# Altium PCB qfc.PcbDoc (part 1 of 13) (continued)
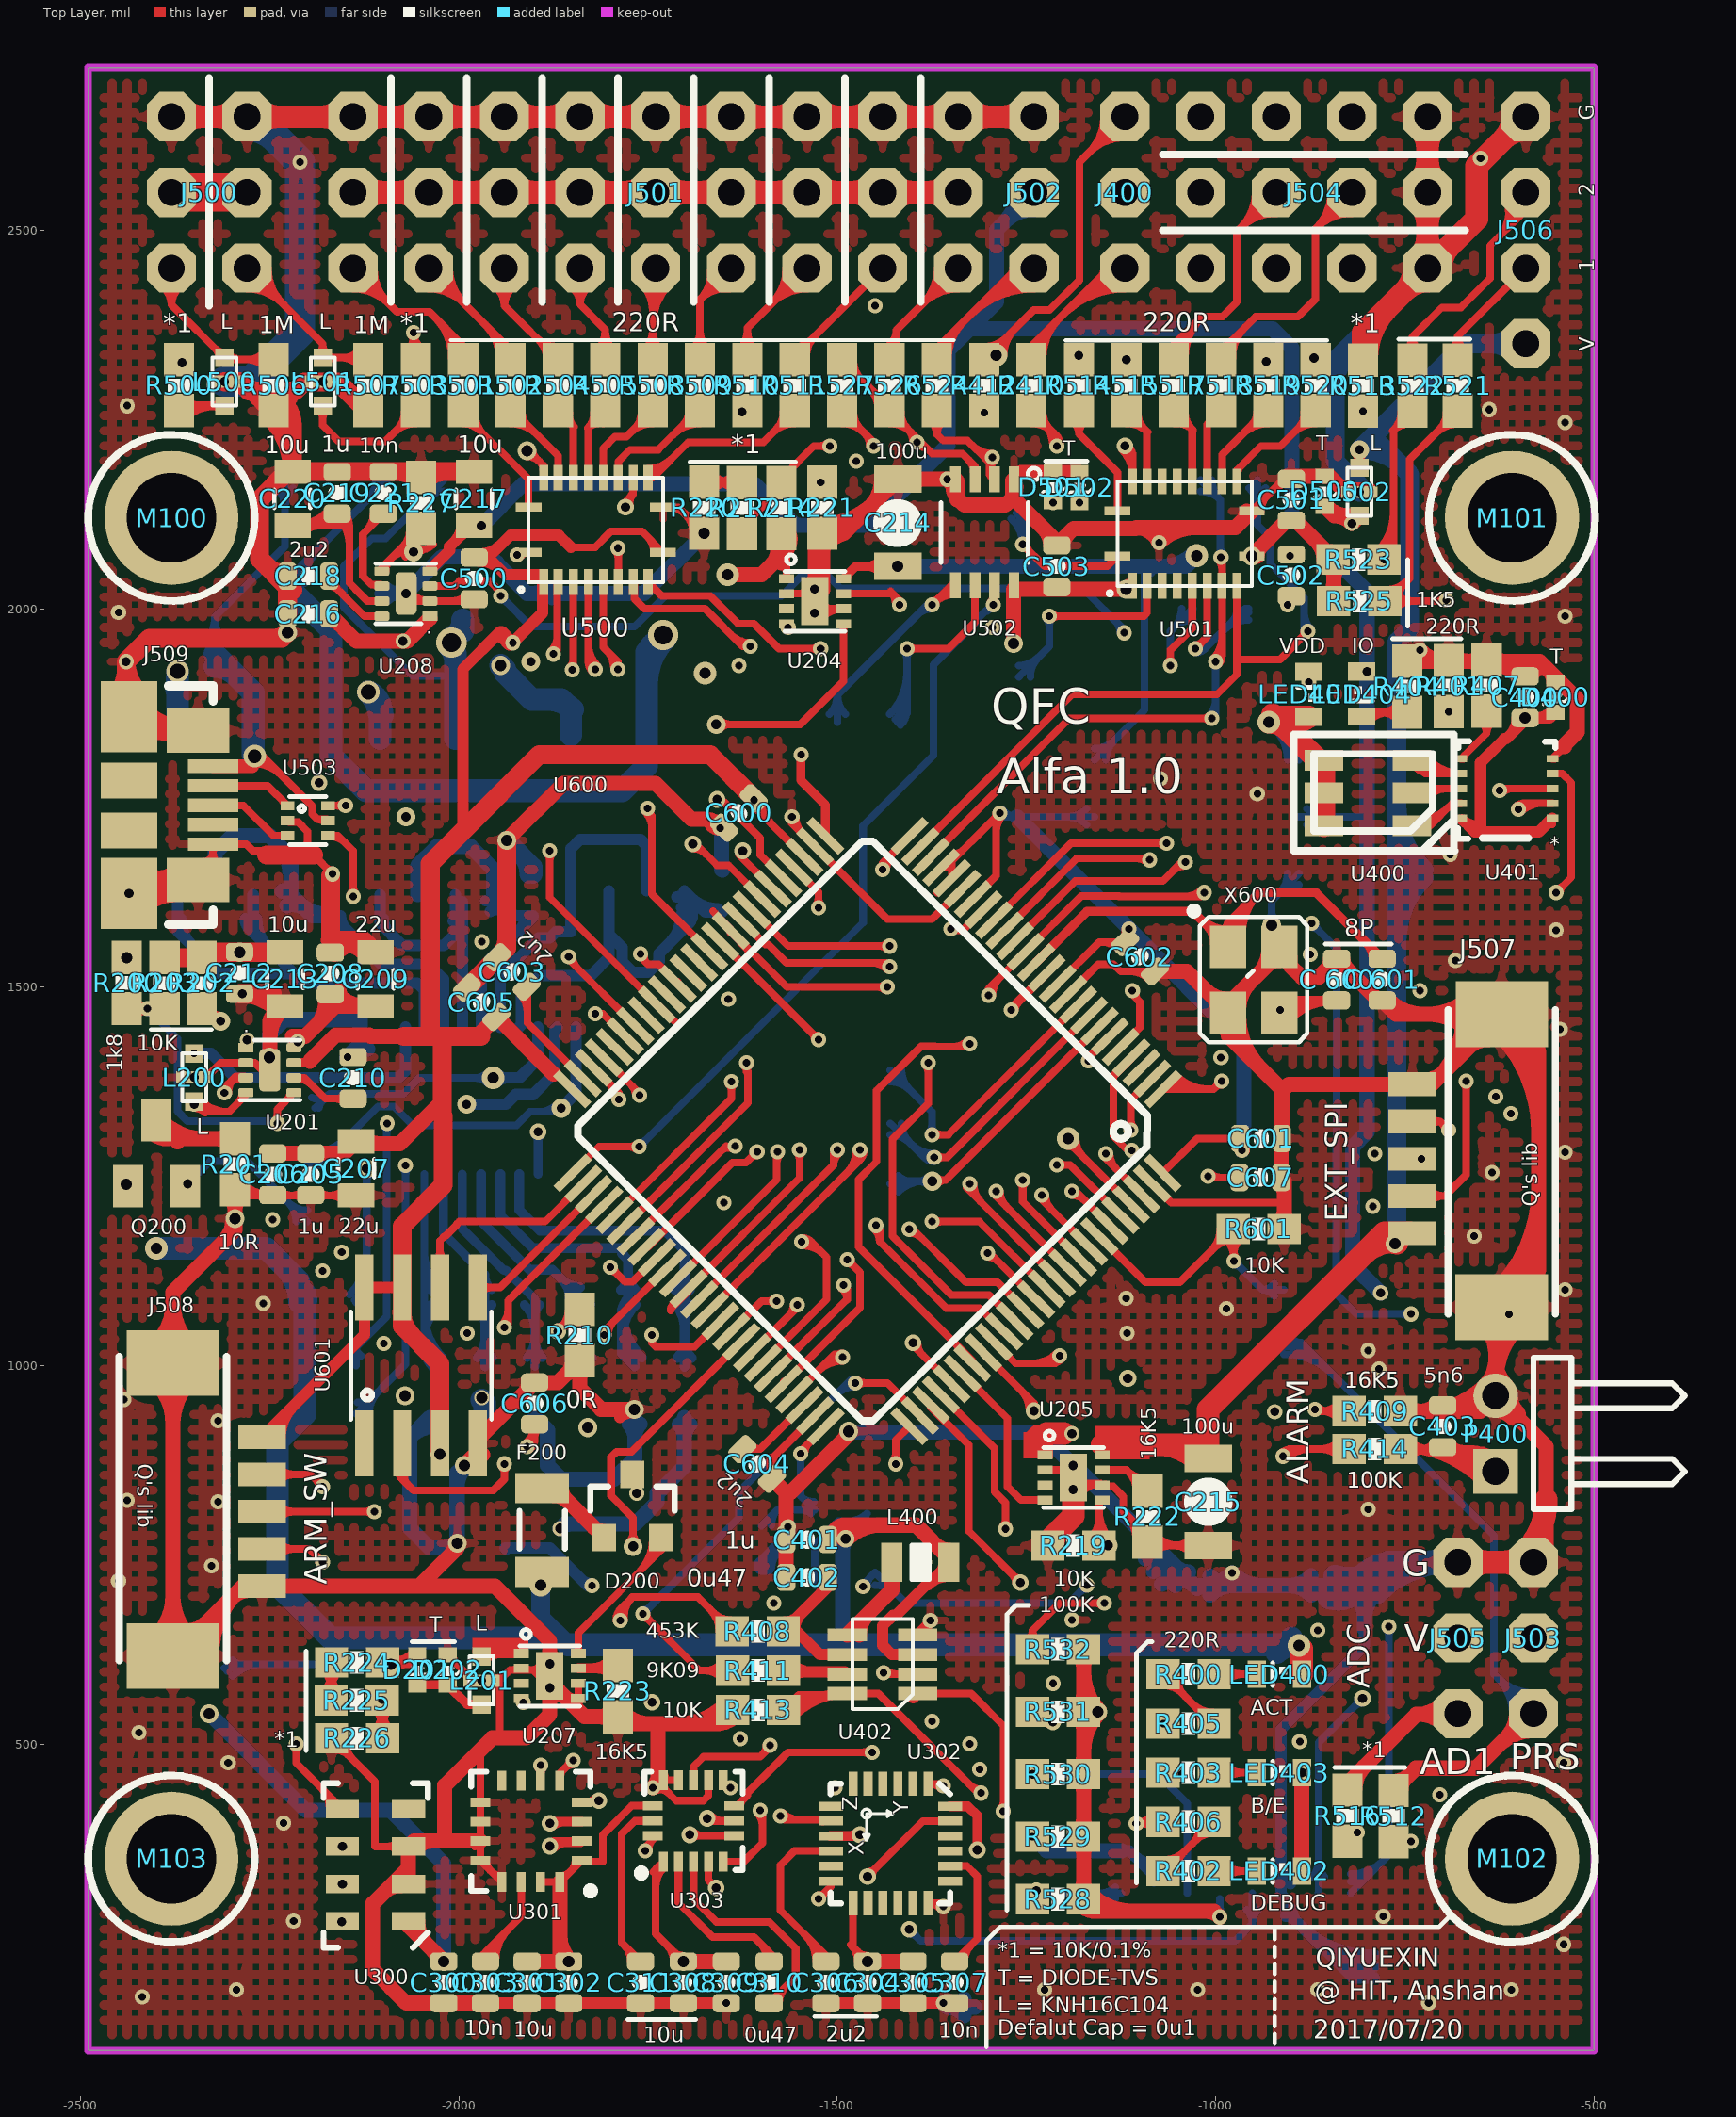
[diagram p0: Top Layer view]
## Components (designator, comment, footprint, x,y, rotation, side; value= is the part's Value field where it differs from the comment) (continued)
U303 "LSM303D" LSM303D -1690,398.27 r90 top
U400 "LRTB GFTG-T7AW-1+V7A7-29+R5T9-49-L" P-LCC-6 -899,1857 r0 top
U401 "TCA62724" SON10 -607,1657 r180 top
U402 "LT3469" SOT23-8 -1440,605 r90 top
U500 "TXS0108QFN20" QFN20-RGY -1819,2104 r90 top
U501 "TXS0108QFN20" QFN20-RGY -1040.76,2098.96 r90 top
U502 "Dual inverter tri-state, 3.3V/5V" TSSOP8_SOT505-2 -1305,2101 r180 top
U503 "NUF2042XV6" SOT563-6 -2200,1720 r270 top
U504 "2908-05WB-MG" MICROSD -1048.32,410 r0 bottom
U600 "STM32F4X7VX 100 pin" TQFP100 -1460,1310 r225 top
U601 "FM25V01" SO08 -2050,1000 r0 top
VBUS "PAD.04" PAD.04X.04 -2200,1340 r0 bottom
X600 "Crystal Oscillator in 3.2x2.5 SMD" OSCILLATOR-3.2X2.5 -950,1510 r270 top

## Footprints (in the part's own frame and the unit in brackets; to place one, negate y for a bottom-side part, rotate by r counter-clockwise, add the part's x,y. Pads: shape width x height; smd on the part's side, far side on the other; paste and mask are expansions set on the pad)
1.25-5P [mm]
  rect 0.8x1.6 smd: 1(-7.5,0) 2(-6.25,0) 3(-5,0) 4(-3.75,0) 5(-2.5,0)
  rect 2.2x3.1 smd: GND(-9.982,-2.997) GND(-0.15,-3)
  silkscreen extent -10.2,-4.8 0,-1.2
0402-TVS [mil] "0402-TVS"
  rect 20x24 smd: A(20,0) C(-19.68,0)
  silkscreen extent -10,-16 3,16, body extent -20,-10 20,10, height 20
0603-CAP [mil] "0603-CAP"
  rrect50% 24x36 smd mask+0: P$1(-27.56,0) P$2(27.56,0)
  silkscreen extent 0,-2 0,2, body extent -31,-16 31,16, height 34
0603-LED [mil]
  rect 24x36 smd: A(30,0) C(-29.53,0)
  silkscreen extent -9,-15 10,15
0603-RES [mil] "0603-RES"
  rect 44x40 smd: 1(-33.46,0) 2(34,0)
  silkscreen extent -9,-15 9,15, body extent -31,-16 31,16, height 34
0805 [mil] "0805"
  rect 32x48 smd: 1(-35.43,0) 2(36,0)
  silkscreen extent -12,-24 12,24, body extent -39,-25 39,25, height 31
0805-IND [mil]
  rect 28x52 smd: P$1(-37.4,0) P$2(38,0)
  silkscreen extent -12,-23 12,23
1206-CAP [mil]
  rect 36x63 smd: P$1(-57.09,0) P$2(58,0)
  silkscreen extent 0,0 0,1
HDR1X2H [mm] "Connector; Header; 2 Position; Right Angle"
  rect 1.5x1.5 hole 0.9: 1(0,0)
  round 1.5 hole 0.9: 2(2.54,0)
  silkscreen extent -1.27,-6.35 3.81,-1.27
HDR3X1H [mil]
  oct 65x65 hole 35.43: 1(0,0) GND(0,200) VCC(0,100)
  body extent -50,-50 50,250, height 394
HDR3X2H [mil]
  oct 65x65 hole 35.43: 1(0,0) 2(100,0) GND(0,200) GND(100,200) VCC(0,100) VCC(100,100)
  silkscreen extent 50,-50 50,250, body extent -50,-50 150,250, height 394
HDR3X9H [mil]
  oct 65x65 hole 35.43: 1(0,0) 2(100,0) 3(200,0) 4(300,0) 5(400,0) 6(500,0) 7(600,0) 8(700,0) 9(800,0) GND(0,200) GND(100,200) GND(200,200) GND(300,200) GND(400,200) GND(500,200) GND(600,200) GND(700,200) GND(800,200) VCC(0,100) VCC(100,100) VCC(200,100) VCC(300,100) VCC(400,100) VCC(500,100) VCC(600,100) VCC(700,100) VCC(800,100)
  silkscreen extent 50,-45 750,250, body extent -50,-50 850,250, height 394
HDR4X1 [mil]
  oct 65x65 hole 35.43: 1(100,0) 2(200,0) GND(300,0) VCC(0,0)
  body extent -50,-50 350,50, height 394
HDR4X3 [mil]
  oct 65x65 hole 35.43: 1(100,0) 2(200,0) 3(100,100) 4(200,100) 5(100,200) 6(200,200) GND(300,0) GND(300,100) GND(300,200) VCC(0,0) VCC(0,100) VCC(0,200)
  silkscreen extent -50,50 350,150, body extent -50,-50 350,250, height 394
HOLE-3MM [mm] "Surface mount thread"
  round 4.5 hole 3: 0(0,0)
  silkscreen extent -2.79,-2.79 2.79,2.79, body extent -1.65,-1.83 1.53,1.83, height 2
KYOCERA-KNH16-DA [mil] "KYOCERA-KNH16-DA"
  rect 16x16 smd: GND(0,16) GND(0,-15.75)
  rect 16x16 hole 12: GND(0,0)
  rect 24x24 smd: P$1(-31.5,0) P$2(32,0)
  silkscreen extent -31,-16 32,16, body extent -20,-10 20,10, height 14
L3GD20 [mil] "4x4x1"
  rect 26x12 smd mask+0: 1(-66.93,38.39) 2(-66.93,12.8) 3(-66.93,-12.8) 4(-66.93,-38.39) 9(66.93,-38.39) 10(66.93,-12.8) 11(66.93,12.8) 12(66.93,38.39)
  rect 12x26 smd mask+0: 5(-38.39,-66.93) 6(-12.8,-66.93) 7(12.8,-66.93) 8(38.39,-66.93) 13(38.39,66.93) 14(12.8,66.93) 15(-12.8,66.93) 16(-38.39,66.93)
  silkscreen extent -84,-79 79,84, body extent -79,-79 79,79, height 39
LSM303D [mil] "LGA-16L"
  rect 26x12 smd mask+0: 1(-53.94,40) 2(-53.94,20) 3(-53.94,0) 4(-53.94,-19.69) 5(-53.94,-39.37) 9(54,-39.37) 10(54,-19.69) 11(54,0) 12(54,20) 13(54,40)
  rect 12x26 smd mask+0: 6(-19.68,-53.94) 7(0,-53.94) 8(20,-53.94) 14(20,54) 15(0,54) 16(-19.68,54)
  silkscreen extent -74,-65 65,74, body extent -59,-59 59,59
MICROSD [mil] "MICROSD"
  rect 32x60 smd: 1(-76.38,107) 2(-33.07,91) 3(11,107) 4(54,115) 5(97,107) 6(141,115) 7(184,107) 8(227,107)
  rect 56x75 smd: 6(-269.68,258) 6(258,219)
  rect 71x56 smd: 6(-29.53,-299.21) 6(195,-299.21)
  silkscreen extent -287,-315 276,256, body extent -276,-315 276,285, height 73
MLF-8-EPAD [mil] "MLF-8-EPAD"
  rect 20x12 smd: 1(-31.5,30)
  rrect40% 20x12 smd: 2(-31.5,10) 3(-31.5,-9.84) 4(-31.5,-29.53) 5(32,-29.53) 6(32,-9.84) 7(32,10) 8(32,30)
  rrect40% 28x56 smd: GND(0,0)
  silkscreen extent -39,-39 40,40, body extent -40,-39 40,39, height 33
MOLEX-47346-0001 [mil]
  rect 67x18 smd: D+(111,0) D-(111,26) GND(111,-51.18) ID(111,-25.59) VBUS(111,52)
  rect 75x94 smd: GND1(0,117) GND4(0,-116.14)
  rect 83x59 smd: GND2(91,99) GND3(91,-98.43)
  rect 75x47 smd: GND5(0,-32.97) GND6(0,33)
  silkscreen extent 52,-157 111,158, body extent -94,-157 120,157, height 107
MS621FE [mm]
  rect 2.5x0.6 smd: +(8.509,0.775) -(8.509,-0.825)
  silkscreen extent -6.78,-6.8 6.81,6.8
MS5611-01BA [mil] "MS5611-01BA"
  rect 44x24 smd: 1(-43.31,74) 2(-43.31,25) 3(-43.31,-24.61) 4(-43.31,-73.82) 5(44,-73.82) 6(44,-24.61) 7(44,25) 8(44,74)
  silkscreen extent -69,-108 69,109, body extent -59,-98 59,99, height 39
OSCILLATOR-3.2X2.5 [mil] "OSCILLATOR-3.2X2.5"
  rect 56x48 smd: 1(-43.31,-33.46) 2(44,-33.46) 3(44,34) 4(-43.31,34)
  silkscreen extent -95,-83 83,71
P-LCC-6 [mm]
  rect 1.3x0.7 smd: A1(1.073,-3.652) A1(1.073,-3.652) A2(1.073,-2.552) A3(1.073,-1.452) C1(4.023,-3.652) C2(4.023,-2.552) C3(4.023,-1.452)
  silkscreen extent 0.05,-4.5 5.46,-0.58, body extent 1.24,-4.08 3.76,-0.99, height 1.5
PAD.04X.04 [mil]
  rrect100% 40x40 smd: P$1(0,0)
  silkscreen extent -26,-26 26,26
PTC-1206 [mil] "PTC-1206"
  rect 40x71 smd: 1(-55.12,0) 2(56,0)
  silkscreen extent -25,-30 25,30, body extent -60,-30 65,30, height 20
QFN8-DSG [mil] "QFN8-DSG"
  rect 12x20 smd: 1(-29.53,-37.4) 2(-9.84,-37.4) 3(10,-37.4) 4(30,-37.4) 5(30,38) 6(10,38) 7(-9.84,38) 8(-29.53,38)
  rect 18x18 hole 12: GND(-15.75,0) GND(16,0)
  rect 63x36 smd: GND(0,0)
  silkscreen extent -61,-39 40,40, body extent -39,-40 39,40, height 33
QFN20-RGY [mil] "QFN20-RGY"
  rect 12x34 smd: 1(-29.53,89) 10(-29.53,-88.58) 11(30,-88.58) 20(30,89)
  rect 34x12 smd: 2(-68.9,69) 3(-68.9,50) 4(-68.9,30) 5(-68.9,10) 6(-68.9,-9.84) 7(-68.9,-29.53) 8(-68.9,-49.21) 9(-68.9,-68.9) 12(69,-68.9) 13(69,-49.21) 14(69,-29.53) 15(69,-9.84) 16(69,10) 17(69,30) 18(69,50) 19(69,69)
  silkscreen extent -82,-89 69,102, body extent -72,-92 72,92, height 39
QFN-24 [mil] "QFN-24"
  rect 32x12 smd: 1(-78.74,50) 2(-78.74,30) 3(-78.74,10) 4(-78.74,-9.84) 5(-78.74,-29.53) 6(-78.74,-49.21) 13(79,-49.21) 14(79,-29.53) 15(79,-9.84) 16(79,10) 17(79,30) 18(79,50)
  rect 12x32 smd: 7(-49.21,-78.74) 8(-29.53,-78.74) 9(-9.84,-78.74) 10(10,-78.74) 11(30,-78.74) 12(50,-78.74) 19(50,79) 20(30,79) 21(10,79) 22(-9.84,79) 23(-29.53,79) 24(-49.21,79)
  silkscreen extent -79,-79 79,79, body extent -79,-79 79,79, height 35
SO08 [mil] "SO08"
  rect 24x87 smd: 1(-75,-103) 2(-25,-103) 3(25,-103) 4(75,-103) 5(75,103) 6(25,103) 7(-25,103) 8(-75,103)
  silkscreen extent -93,-71 93,71, body extent -96,-121 96,121, height 34
SOD323 [mil] "SOD323"
  rect 32x24 smd: A(50,0) C(-49.21,0)
  silkscreen extent -62,-26 50,26, body extent -49,-24 49,25, height 35
SON10 [mm]
  rect 0.4x0.25 smd: 1(-1.321,-1.676) 2(-1.321,-2.176) 3(-1.321,-2.676) 4(-1.321,-3.176) 5(-1.321,-3.676) 6(1.743,-3.676) 7(1.743,-3.176) 8(1.743,-2.676) 9(1.743,-2.176) 10(1.743,-1.676)
  silkscreen extent -1.42,-4.27 1.85,-0.99, body extent -1.31,-4.05 1.71,-1.24, height 1
SOT23-3 [mil] "SOT23-3"
  rect 32x36 smd: 1(-37.4,-39.37) 2(38,-39.37) 3(0,44)
  silkscreen extent -55,-4 56,28, body extent -57,-55 57,55, height 51
SOT23-8 [mil] "SOT23-8"
  rect 17x52 smd: 1(-38.39,-46.26) 2(-12.8,-46.26) 3(13,-46.26) 4(39,-46.26) 5(39,47) 6(13,47) 7(-12.8,47) 8(-38.39,47)
  silkscreen extent -59,-39 60,40, body extent -59,-55 59,55, height 44
SOT23-BEC [mil] "SOT23-BEC"
  rect 40x56 smd: B(-37.4,-43.31) C(0,44) E(38,-43.31)
  body extent -57,-55 57,55, height 51
SOT563-6 [mil] "SOT563-6"
  rect 12x18 smd: 1(-19.68,-26.57) 2(0,-26.57) 3(20,-26.57) 4(20,27) 5(0,27) 6(-19.68,27)
  silkscreen extent -31,-24 32,24, body extent -32,-32 32,32, height 23
SSOP-24_GN [mil]
  rect 78x14 smd: 1(-92,136.5) 2(-92,111.5) 3(-92,86.5) 4(-92,61.5) 5(-92,36.5) 6(-92,11.5) 7(-92,-13.5) 8(-92,-38.5) 9(-92,-63.5) 10(-92,-88.5) 11(-92,-113.5) 12(-92,-138.5) 13(102,-138.5) 14(102,-113.5) 15(102,-88.5) 16(102,-63.5) 17(102,-38.5) 18(102,-13.5) 19(102,11.5) 20(102,36.5) 21(102,61.5) 22(102,86.5) 23(102,111.5) 24(102,136.5)
  silkscreen extent -83,-177 84,177, body extent -125,-174 119,170, height 67
TQFP100 [mil] "TQFP100"
  rect 60x12 smd: 1(-314.96,237) 2(-314.96,217) 3(-314.96,197) 4(-314.96,178) 5(-314.96,158) 6(-314.96,138) 7(-314.96,119) 8(-314.96,99) 9(-314.96,79) 12(-314.96,20) 13(-314.96,0) 14(-314.96,-19.69) 15(-314.96,-39.37) 16(-314.96,-59.06) 17(-314.96,-78.74) 18(-314.96,-98.43) 20(-314.96,-137.8) 21(-314.96,-157.48) 22(-314.96,-177.17) 23(-314.96,-196.85) 24(-314.96,-216.54) 25(-314.96,-236.22) 51(315,-236.22) 52(315,-216.54) 53(315,-196.85) 54(315,-177.17) 55(315,-157.48) 56(315,-137.8) 57(315,-118.11) 58(315,-98.43) 59(315,-78.74) 60(315,-59.06) 61(315,-39.37) 62(315,-19.69) 63(315,0) 64(315,20) 65(315,40) 66(315,60) 67(315,79) 68(315,99) 69(315,119) 70(315,138) 71(315,158) 72(315,178) 73(315,197) VDD(-314.96,40) VDD(-314.96,-118.11) VDD(315,237) VSS(-314.96,60) VSS(315,217)
  rect 12x60 smd: 26(-236.22,-314.96) 29(-177.17,-314.96) 30(-157.48,-314.96) 31(-137.8,-314.96) 32(-118.11,-314.96) 33(-98.43,-314.96) 34(-78.74,-314.96) 35(-59.06,-314.96) 36(-39.37,-314.96) 37(-19.69,-314.96) 38(0,-314.96) 39(20,-314.96) 40(40,-314.96) 41(60,-314.96) 42(79,-314.96) 44(119,-314.96) 45(138,-314.96) 46(158,-314.96) 47(178,-314.96) 48(197,-314.96) 49(217,-314.96) 76(237,315) 77(217,315) 78(197,315) 79(178,315) 80(158,315) 81(138,315) 82(119,315) 83(99,315) 84(79,315) 85(60,315) 86(40,315) 87(20,315) 88(0,315) 89(-19.69,315) 90(-39.37,315) 91(-59.06,315) 92(-78.74,315) 93(-98.43,315) 94(-118.11,315) 95(-137.8,315) 96(-157.48,315) 97(-177.17,315) 98(-196.85,315) VDD(-236.22,315) VDD(-196.85,-314.96) VDD(237,-314.96) VSS(-216.54,315) VSS(-216.54,-314.96)
  rect 12x59.06 smd: 43(99,-314.96)
  silkscreen extent -276,-276 276,276, body extent -556,-556 556,556, height 47
TSSOP8_SOT505-2 [mil] "TSSOP8_SOT505-2"
  rect 14x34 smd: 1(-38.39,-69.88) 2(-12.8,-69.88) 3(13,-69.88) 4(39,-69.88) 5(39,70) 6(13,70) 7(-12.8,70) 8(-38.39,70)
  silkscreen extent -73,-85 58,40, body extent -61,-81 61,81, height 43

## Part data
3V3_SEN: "VDD_3V3_SENSORS"
5V_BRI: "VDD_5V_BRICK"
5V_HIP: "VDD_5V_HIPOWER"
5V_IN: "VDD_5V_IN"
5V_PER: "VDD_5V_PERIPH"
5V_SEN: "VDD_SENSOR"
!BRI_EN: "!VDD_BRICK_VALID"
!SRV_EN: "!VDD_SERVO_VALID"
!VBUS_EN: "!VBUS_VALID"
B600: "MS Lithium Rechargeable Battery"
C200 C202 C204 C205 C206 C208 C210 C212 C216 C218 C219 C221 C300 C301 C302 C303 C304 C305 C306 C307 C308 C309 C310 C311 C400 C401 C402 C403 C500 C501 C502 C503 C600 C601 C602 C603 C604 C605 C606 C607 C608 "C 600" "C 601": library part CAP0603, "CAP CER 2.2UF 16V 10% X6S 0603"
C201 C203 C211 C214 C215: library part CAP1206, "CAP CER 100UF 10V 20% X5R 1206"
C207 C209 C213 C217 C220: library part CAP0805, "CAP CER 4.7UF 16V 10% X7R 0805"
D200: "DIODE SCHOTTKY 20V 500MA TO236AB"
D201 D202 D400 D500 D501 D502: "TVS DIODE 14VWM 40VC 0402"
D600: library part DIODE-SCHOTTKY_SOD323, "DIODE SCHOTTKY 30V 0.03A SOD323"
F200: library part PTCSMD, "PTC RESTTBLE 0.35A 16V CHIP 1206"
FMU_3V3: "FMU-VDD_3V3"
IO_5V: "IO-VDD_5V5"
J400 J502 J503 J505: "Header 3X1 pins"
J500: "Header 3X2 pins"
J501: "Header 3X9 pins"
J504: "Header 4X3"
J506: "Header 4X1"
J507 J508: "DF13C-5P-1.25V, 1.25mm"
J509: library part MOLEX-47346-0001, "MICRO USB B, BOTTOM MOUNT"
L200 L201 L500 L501 L502: library part KNH16C104DA5TS, "FILTER CAP 0.1UF 2A 25V 0603"
L400: library part INDUCTOR0805, "FIXED IND 47UH 170MA 4.81 OHM"
LED400 LED401 LED402 LED403 LED404: library part LED0603, "LED 1.6X0.8 DOME ORN CLEAR SMD"
P400: "Header, 2-Pin, Right Angle"
PRE_SENS_IN: "PRESSURE_SENS_IN"
Q200: "TRANSISTOR SWITCHING PNP SOT-23"
R200 R201 R202 R203 R204 R205 R206 R207 R208 R209 R210 R211 R212 R213 R214 R215 R216 R217 R218 R219 R220 R221 R222 R223 R224 R225 R226 R227 R400 R401 R402 R403 R404 R405 R406 R407 R408 R409 R410 R411 R412 R413 R414 R500 R501 R502 R503 R504 R505 R506 R507 R508 R509 R510 R511 R512 R513 R514 R515 R516 R517 R518 R519 R520 R521 R522 R523 R524 R525 R526 R527 R528 R529 R530 R531 R532 R600 R601: library part RESISTOR0603-RES, "RES 10 OHM 1/10W 5% 0603"
U200 U202 U203: library part PMOSFET-DUAL, "MOSFET 2P-CH 20V 2.9A CHIPFET"
U201 U208: "IC REG LDO 3.3V 0.3A 8TMLF"
U204 U205: "IC LI+ CHARGER FRONT END 8SON"
U206: library part LTC4417IGN#TRPBF, "Selects Highest Priority Supply from Three Inputs"
U207: "IC LI+ CHARGER FRONT END 8-SON"
U300: "Board Mount Pressure Sensors"
U301: "Sensor, Low-power, Three-axis, Angular rate"
U302: "GYRO/ACCELEROMETER 6AXIS 24QFN"
U303: "Module, 3D Accelerometer, 3D Magnetometer"
U400: library part MULTI-LEDS, "Muti LEDs"
U401: "3-Channel Constant-Current LED Driver"
U402: "IC AMP DVR W/REG 1.3MHZ TSOT23-8"
U500 U501: "IC XLATR VOLT-LVL 8B BDIR 20QFN"
U502: library part 74LVC2G240-TSSOP-8, "IC INVERTER DUAL 4-INPUT 8TSSOP"
U503: "IC FILTER USB ESD PROTECT SOT363"
U504: library part MICROSDSDI, "CONN MICRO SD CARD PUSH-PUSH R/A"
U600: library part STM32F4X7VX_1, "REV 3 Silicon or later IC MCU ARM 2MB FLASH 100LQFP"
U601: "IC FRAM 128KBIT 40MHZ 8SOIC"
X600: library part OSCILLATOR-3.2X2.5, "CRYSTAL 24MHZ 8PF SMD"

## Via types
v1: diameter 20, hole 10, Top Layer to Bottom Layer, tented both sides, 256 vias
v2: diameter 22, hole 12, Top Layer to Bottom Layer, tented both sides, 31 vias
v3: diameter 25, hole 15, Top Layer to Bottom Layer, tented both sides, 29 vias
v4: diameter 20, hole 12, Top Layer to Bottom Layer, tented both sides, 17 vias
v5: diameter 30, hole 15, Top Layer to Bottom Layer, tented both sides, 12 vias
v6: diameter 25, hole 12, Top Layer to Bottom Layer, tented both sides, 11 vias
v7: diameter 25, hole 13, Top Layer to Bottom Layer, tented both sides, 5 vias
v8: diameter 40, hole 25, Top Layer to Bottom Layer, tented both sides, 2 vias
v9: diameter 23, hole 13, Top Layer to Bottom Layer, tented both sides, 2 vias
v10: diameter 30, hole 20, Top Layer to Bottom Layer, tented both sides, 2 vias
v11: diameter 20, hole 13, Top Layer to Bottom Layer, tented both sides, 1 vias
v12: diameter 20, hole 15, Top Layer to Bottom Layer, tented both sides, 1 vias
v13: diameter 30, hole 18, Top Layer to Bottom Layer, tented both sides, 1 vias

## Nets (pads, with @x,y where several pads share a name; then routed paths per layer and width w, separated by ;. In a path a pad name is that pad's centre, name@x,y a point inside that pad or via, vN(x,y) a via of type N, cw(c..) or ccw(c..) an arc to the next point about the centre after c; other vN are vias at no path point)
!FRAM_CS: U601.1
!VBUS_VALID: !VBUS_EN.P$1 R204.1 U206.12 U600.7 | length 2514.8
  Top Layer w10: v7(-1374.5,1243.5) -1373,1245 -1356.71,1245 ; U600.7@-1153.14,1448.57 -1356.71,1245 ; v7@-1369.2,1248.8 ccw(c-1360.01,1257.99) -1360.01,1245 ; v7@-1369.2,1248.8 ccw(c-1360.01,1257.99) -1360.01,1245 ; v7@-1369.2,1248.8 ccw(c-1360.01,1257.99) -1360.01,1245 ; v7@-1369.2,1248.8 ccw(c-1360.01,1257.99) -1360.01,1245 ; v7@-1368.46,1239.06 cw(c-1356.71,1230.42) -1356.71,1245 ; v7@-1368.46,1239.06 cw(c-1356.71,1230.42) -1356.71,1245 ; v7@-1368.46,1239.06 cw(c-1356.71,1230.42) -1356.71,1245 ; v7@-1368.46,1239.06 cw(c-1356.71,1230.42) -1356.71,1245
  Mid-Layer 1 w10: v7(-2122,1260.19) -2122,1254.5 -2109.94,1242.44 -2061.44,1242.44 -2060.39,1243.5 v7(-1374.5,1243.5) ; v7@-2115.1,1257.25 ccw(c-2105.09,1252.98) -2112.79,1245.29 ; v7@-2115.1,1257.25 ccw(c-2105.09,1252.98) -2112.79,1245.29 ; v7@-2115.1,1257.25 ccw(c-2105.09,1252.98) -2112.79,1245.29 ; v7@-2115.1,1257.25 ccw(c-2105.09,1252.98) -2112.79,1245.29
  Bottom Layer w10: R204.1@-2136.03,1083 -2122,1097.03 v7(-2122,1260.19) ; !VBUS_EN.P$1@-1430,1240 -1426.5,1243.5 v7(-1374.5,1243.5) ; R204.1@-2144.64,1093.61 ccw(c-2199.3,1148.27) -2122,1148.27 ; R204.1@-2144.64,1093.61 ccw(c-2199.3,1148.27) -2122,1148.27 ; R204.1@-2144.64,1093.61 ccw(c-2199.3,1148.27) -2122,1148.27 ; R204.1@-2144.64,1093.61 ccw(c-2199.3,1148.27) -2122,1148.27 ; R204.1@-2137.57,1086.54 ccw(c-2175.15,1124.12) -2122,1124.12 ; R204.1@-2137.57,1086.54 ccw(c-2175.15,1124.12) -2122,1124.12 ; R204.1@-2137.57,1086.54 ccw(c-2175.15,1124.12) -2122,1124.12 ; R204.1@-2137.57,1086.54 ccw(c-2175.15,1124.12) -2122,1124.12 ; R204.1@-2130.5,1079.47 ccw(c-2151.01,1099.98) R204.1@-2122,1099.98 ; R204.1@-2130.5,1079.47 ccw(c-2151.01,1099.98) R204.1@-2122,1099.98 ; R204.1@-2130.5,1079.47 ccw(c-2151.01,1099.98) R204.1@-2122,1099.98 ; R204.1@-2130.5,1079.47 ccw(c-2151.01,1099.98) R204.1@-2122,1099.98 ; U206.12@-2127.3,1254.89 cw(c-2140.11,1242.09) U206.12@-2122,1242.09 ; U206.12@-2127.3,1254.89 cw(c-2140.11,1242.09) U206.12@-2122,1242.09 ; U206.12@-2127.3,1254.89 cw(c-2140.11,1242.09) U206.12@-2122,1242.09 ; U206.12@-2127.3,1254.89 cw(c-2140.11,1242.09) U206.12@-2122,1242.09 ; -2122,1212.55 cw(c-2112.05,1212.55) U206.12@-2119.09,1219.59 ; -2122,1212.55 cw(c-2112.05,1212.55) U206.12@-2119.09,1219.59 ; -2122,1212.55 cw(c-2112.05,1212.55) U206.12@-2119.09,1219.59 ; -2122,1212.55 cw(c-2112.05,1212.55) U206.12@-2119.09,1219.59 ; U206.12@-2122,1242.09 cw(c-2103.89,1242.09) U206.12@-2116.7,1254.89 ; U206.12@-2122,1242.09 cw(c-2103.89,1242.09) U206.12@-2116.7,1254.89 ; U206.12@-2122,1242.09 cw(c-2103.89,1242.09) U206.12@-2116.7,1254.89 ; U206.12@-2122,1242.09 cw(c-2103.89,1242.09) U206.12@-2116.7,1254.89 ; !VBUS_EN.P$1@-1426.46,1236.46 cw(c-1409.48,1219.48) -1409.48,1243.5 ; !VBUS_EN.P$1@-1426.46,1236.46 cw(c-1409.48,1219.48) -1409.48,1243.5 ; !VBUS_EN.P$1@-1426.46,1236.46 cw(c-1409.48,1219.48) -1409.48,1243.5 ; !VBUS_EN.P$1@-1426.46,1236.46 cw(c-1409.48,1219.48) -1409.48,1243.5 ; !VBUS_EN.P$1@-1419.39,1229.39 cw(c-1385.34,1195.34) v7@-1385.34,1243.5 ; !VBUS_EN.P$1@-1419.39,1229.39 cw(c-1385.34,1195.34) v7@-1385.34,1243.5 ; !VBUS_EN.P$1@-1419.39,1229.39 cw(c-1385.34,1195.34) v7@-1385.34,1243.5 ; !VBUS_EN.P$1@-1419.39,1229.39 cw(c-1385.34,1195.34) v7@-1385.34,1243.5 ; !VBUS_EN.P$1@-1419.39,1250.61 ccw(c-1402.24,1267.76) -1402.24,1243.5 ; !VBUS_EN.P$1@-1419.39,1250.61 ccw(c-1402.24,1267.76) -1402.24,1243.5 ; !VBUS_EN.P$1@-1419.39,1250.61 ccw(c-1402.24,1267.76) -1402.24,1243.5 ; !VBUS_EN.P$1@-1419.39,1250.61 ccw(c-1402.24,1267.76) -1402.24,1243.5 ; -1392.61,1243.5 cw(c-1392.61,1225.39) v7@-1379.8,1238.2 ; -1392.61,1243.5 ccw(c-1392.61,1261.61) v7@-1379.8,1248.8 ; -1392.61,1243.5 cw(c-1392.61,1225.39) v7@-1379.8,1238.2 ; -1392.61,1243.5 ccw(c-1392.61,1261.61) v7@-1379.8,1248.8 ; -1392.61,1243.5 cw(c-1392.61,1225.39) v7@-1379.8,1238.2 ; -1392.61,1243.5 ccw(c-1392.61,1261.61) v7@-1379.8,1248.8 ; -1392.61,1243.5 cw(c-1392.61,1225.39) v7@-1379.8,1238.2 ; -1392.61,1243.5 ccw(c-1392.61,1261.61) v7@-1379.8,1248.8
!VDD_BRICK_VALID: !BRI_EN.P$1 R206.1 U206.10 U600.8 | length 2472.3
  Top Layer w10: v1(-1372,1275) -1354.99,1275 U600.8@-1167.29,1462.71 ; v1@-1368.46,1271.46 cw(c-1359.93,1262.93) -1359.93,1275 ; v1@-1368.46,1271.46 cw(c-1359.93,1262.93) -1359.93,1275 ; v1@-1368.46,1271.46 cw(c-1359.93,1262.93) -1359.93,1275 ; v1@-1368.46,1271.46 cw(c-1359.93,1262.93) -1359.93,1275 ; v1@-1368.46,1278.54 ccw(c-1359.93,1287.07) -1359.93,1275 ; v1@-1368.46,1278.54 ccw(c-1359.93,1287.07) -1359.93,1275 ; v1@-1368.46,1278.54 ccw(c-1359.93,1287.07) -1359.93,1275 ; v1@-1368.46,1278.54 ccw(c-1359.93,1287.07) -1359.93,1275
  Mid-Layer 1 w10: v1@-2066.61,1260.5 -1392.15,1260.5 v1@-1377.65,1275 ; v1@-2067.02,1267.98 ccw(c-2048.96,1286.04) -2048.96,1260.5 ; v1@-2067.02,1267.98 ccw(c-2048.96,1286.04) -2048.96,1260.5 ; v1@-2067.02,1267.98 ccw(c-2048.96,1286.04) -2048.96,1260.5 ; v1@-2067.02,1267.98 ccw(c-2048.96,1286.04) -2048.96,1260.5 ; -1390.18,1262.47 cw(c-1372,1244.29) v1@-1372,1270 ; -1390.18,1262.47 cw(c-1372,1244.29) v1@-1372,1270 ; -1390.18,1262.47 cw(c-1372,1244.29) v1@-1372,1270 ; -1390.18,1262.47 cw(c-1372,1244.29) v1@-1372,1270
  Bottom Layer w10: R206.1@-2136.03,936.06 -2070.5,1001.59 U206.10@-2070.5,1253 ; !BRI_EN.P$1@-1430,1320 -1385,1275 v1(-1372,1275) ; R206.1@-2134.03,951.06 ccw(c-2134.03,982.44) -2111.84,960.25 ; R206.1@-2134.03,951.06 ccw(c-2134.03,982.44) -2111.84,960.25 ; R206.1@-2134.03,951.06 ccw(c-2134.03,982.44) -2111.84,960.25 ; R206.1@-2134.03,951.06 ccw(c-2134.03,982.44) -2111.84,960.25 ; R206.1@-2119.03,936.06 cw(c-2077.99,936.06) -2107.01,965.08 ; R206.1@-2119.03,936.06 cw(c-2077.99,936.06) -2107.01,965.08 ; R206.1@-2119.03,936.06 cw(c-2077.99,936.06) -2107.01,965.08 ; R206.1@-2119.03,936.06 cw(c-2077.99,936.06) -2107.01,965.08 ; U206.10@-2074.09,1260.91 cw(c-2082.76,1252.24) U206.10@-2070.5,1252.24 ; U206.10@-2074.09,1260.91 cw(c-2082.76,1252.24) U206.10@-2070.5,1252.24 ; U206.10@-2074.09,1260.91 cw(c-2082.76,1252.24) U206.10@-2070.5,1252.24 ; U206.10@-2074.09,1260.91 cw(c-2082.76,1252.24) U206.10@-2070.5,1252.24 ; U206.10@-2073.92,1260.75 cw(c-2080.97,1253) U206.10@-2070.5,1253 ; U206.10@-2073.92,1260.75 cw(c-2080.97,1253) U206.10@-2070.5,1253 ; U206.10@-2073.92,1260.75 cw(c-2080.97,1253) U206.10@-2070.5,1253 ; U206.10@-2070.5,1252.51 cw(c-2058.62,1252.51) U206.10@-2067.02,1260.91 ; U206.10@-2070.5,1252.51 cw(c-2058.62,1252.51) U206.10@-2067.02,1260.91 ; U206.10@-2070.5,1252.51 cw(c-2058.62,1252.51) U206.10@-2067.02,1260.91 ; U206.10@-2070.5,1252.51 cw(c-2058.62,1252.51) U206.10@-2067.02,1260.91 ; U206.10@-2070.5,1253 cw(c-2059.79,1253) U206.10@-2067.13,1260.8 ; U206.10@-2070.5,1253 cw(c-2059.79,1253) U206.10@-2067.13,1260.8 ; U206.10@-2070.5,1253 cw(c-2059.79,1253) U206.10@-2067.13,1260.8 ; !BRI_EN.P$1@-1430,1305 cw(c-1430,1268.79) -1404.39,1294.39 ; !BRI_EN.P$1@-1430,1305 cw(c-1430,1268.79) -1404.39,1294.39 ; !BRI_EN.P$1@-1430,1305 cw(c-1430,1268.79) -1404.39,1294.39 ; !BRI_EN.P$1@-1430,1305 cw(c-1430,1268.79) -1404.39,1294.39 ; !BRI_EN.P$1@-1415,1320 ccw(c-1378.79,1320) -1404.39,1294.39 ; !BRI_EN.P$1@-1415,1320 ccw(c-1378.79,1320) -1404.39,1294.39 ; !BRI_EN.P$1@-1415,1320 ccw(c-1378.79,1320) -1404.39,1294.39 ; !BRI_EN.P$1@-1415,1320 ccw(c-1378.79,1320) -1404.39,1294.39 ; -1402.73,1292.73 ccw(c-1372,1323.46) v1@-1372,1280 ; -1402.73,1292.73 ccw(c-1372,1323.46) v1@-1372,1280 ; -1402.73,1292.73 ccw(c-1372,1323.46) v1@-1372,1280 ; -1402.73,1292.73 ccw(c-1372,1323.46) v1@-1372,1280 ; -1385.66,1275.66 ccw(c-1372,1289.31) v1@-1372,1270 ; -1385.66,1275.66 ccw(c-1372,1289.31) v1@-1372,1270 ; -1385.66,1275.66 ccw(c-1372,1289.31) v1@-1372,1270 ; -1385.66,1275.66 ccw(c-1372,1289.31) v1@-1372,1270 ; -1384.07,1275 cw(c-1384.07,1262.93) v1@-1375.54,1271.46 ; -1384.07,1275 ccw(c-1384.07,1287.07) v1@-1375.54,1278.54 ; -1384.07,1275 cw(c-1384.07,1262.93) v1@-1375.54,1271.46 ; -1384.07,1275 ccw(c-1384.07,1287.07) v1@-1375.54,1278.54 ; -1384.07,1275 cw(c-1384.07,1262.93) v1@-1375.54,1271.46 ; -1384.07,1275 ccw(c-1384.07,1287.07) v1@-1375.54,1278.54
  other v1: -2070.56,1264.44
!VDD_SERVO_VALID: !SRV_EN.P$1 R205.1 U206.11 U600.9 | length 2315.8
  Top Layer w10: v1(-1375,1305) -1353.28,1305 U600.9@-1181.43,1476.85 ; v1@-1371.46,1301.46 cw(c-1362.93,1292.93) -1362.93,1305 ; v1@-1371.46,1301.46 cw(c-1362.93,1292.93) -1362.93,1305 ; v1@-1371.46,1301.46 cw(c-1362.93,1292.93) -1362.93,1305 ; v1@-1371.46,1301.46 cw(c-1362.93,1292.93) -1362.93,1305 ; v1@-1371.46,1308.54 ccw(c-1362.93,1317.07) -1362.93,1305 ; v1@-1371.46,1308.54 ccw(c-1362.93,1317.07) -1362.93,1305 ; v1@-1371.46,1308.54 ccw(c-1362.93,1317.07) -1362.93,1305 ; v1@-1371.46,1308.54 ccw(c-1362.93,1317.07) -1362.93,1305
  Mid-Layer 1 w10: v1(-2095,1320) -2060,1285 -1807,1285 -1777,1315 -1385,1315 v1(-1375,1305) ; v1@-2095,1315 cw(c-2095,1302.93) -2086.46,1311.46 ; v1@-2095,1315 cw(c-2095,1302.93) -2086.46,1311.46 ; v1@-2095,1315 cw(c-2095,1302.93) -2086.46,1311.46 ; v1@-2095,1315 cw(c-2095,1302.93) -2086.46,1311.46 ; v1@-2090,1320 ccw(c-2077.93,1320) -2086.46,1311.46 ; v1@-2090,1320 ccw(c-2077.93,1320) -2086.46,1311.46 ; v1@-2090,1320 ccw(c-2077.93,1320) -2086.46,1311.46 ; v1@-2090,1320 ccw(c-2077.93,1320) -2086.46,1311.46 ; -1411.21,1315 cw(c-1411.21,1268.79) v1@-1378.54,1301.46 ; -1411.21,1315 cw(c-1411.21,1268.79) v1@-1378.54,1301.46 ; -1411.21,1315 cw(c-1411.21,1268.79) v1@-1378.54,1301.46 ; -1411.21,1315 cw(c-1411.21,1268.79) v1@-1378.54,1301.46 ; -1387.07,1315 cw(c-1387.07,1292.93) v1@-1371.46,1308.54 ; -1387.07,1315 cw(c-1387.07,1292.93) v1@-1371.46,1308.54 ; -1387.07,1315 cw(c-1387.07,1292.93) v1@-1371.46,1308.54 ; -1387.07,1315 cw(c-1387.07,1292.93) v1@-1371.46,1308.54
  Bottom Layer w10: R205.1@-2136.03,999.53 -2136.03,1023.97 ; v1(-2095,1320) -2095.5,1319.5 U206.11@-2095.5,1253 -2095.5,1064.5 -2136.03,1023.97 ; !SRV_EN.P$1@-1430,1390 -1375,1335 v1(-1375,1305) ; R205.1@-2142.82,1012.91 ccw(c-2148.44,1023.97) -2136.03,1023.97 ; R205.1@-2142.82,1012.91 ccw(c-2148.44,1023.97) -2136.03,1023.97 ; R205.1@-2142.82,1012.91 ccw(c-2148.44,1023.97) -2136.03,1023.97 ; R205.1@-2142.82,1012.91 ccw(c-2148.44,1023.97) -2136.03,1023.97 ; -2136.03,1023.97 ccw(c-2123.63,1023.97) R205.1@-2129.24,1012.91 ; -2136.03,1023.97 ccw(c-2123.63,1023.97) R205.1@-2129.24,1012.91 ; -2136.03,1023.97 ccw(c-2123.63,1023.97) R205.1@-2129.24,1012.91 ; -2136.03,1023.97 ccw(c-2123.63,1023.97) R205.1@-2129.24,1012.91 ; v1@-2098.54,1316.46 cw(c-2105.87,1309.13) -2095.5,1309.13 ; v1@-2098.54,1316.46 cw(c-2105.87,1309.13) -2095.5,1309.13 ; v1@-2098.54,1316.46 cw(c-2105.87,1309.13) -2095.5,1309.13 ; v1@-2098.54,1316.46 cw(c-2105.87,1309.13) -2095.5,1309.13 ; -2095.5,1306.72 cw(c-2081.72,1306.72) v1@-2091.46,1316.46 ; -2095.5,1306.72 cw(c-2081.72,1306.72) v1@-2091.46,1316.46 ; -2095.5,1306.72 cw(c-2081.72,1306.72) v1@-2091.46,1316.46 ; -2095.5,1306.72 cw(c-2081.72,1306.72) v1@-2091.46,1316.46 ; !SRV_EN.P$1@-1430,1375 cw(c-1430,1338.79) -1404.39,1364.39 ; !SRV_EN.P$1@-1430,1375 cw(c-1430,1338.79) -1404.39,1364.39 ; !SRV_EN.P$1@-1430,1375 cw(c-1430,1338.79) -1404.39,1364.39 ; !SRV_EN.P$1@-1430,1375 cw(c-1430,1338.79) -1404.39,1364.39 ; !SRV_EN.P$1@-1415,1390 ccw(c-1378.79,1390) -1404.39,1364.39 ; !SRV_EN.P$1@-1415,1390 ccw(c-1378.79,1390) -1404.39,1364.39 ; !SRV_EN.P$1@-1415,1390 ccw(c-1378.79,1390) -1404.39,1364.39 ; !SRV_EN.P$1@-1415,1390 ccw(c-1378.79,1390) -1404.39,1364.39 ; v1@-1378.54,1308.54 ccw(c-1387.07,1317.07) -1375,1317.07 ; v1@-1378.54,1308.54 ccw(c-1387.07,1317.07) -1375,1317.07 ; v1@-1378.54,1308.54 ccw(c-1387.07,1317.07) -1375,1317.07 ; v1@-1378.54,1308.54 ccw(c-1387.07,1317.07) -1375,1317.07 ; -1375,1317.07 ccw(c-1362.93,1317.07) v1@-1371.46,1308.54 ; -1375,1317.07 ccw(c-1362.93,1317.07) v1@-1371.46,1308.54 ; -1375,1317.07 ccw(c-1362.93,1317.07) v1@-1371.46,1308.54 ; -1375,1317.07 ccw(c-1362.93,1317.07) v1@-1371.46,1308.54